# KiCad board keyball61_Left.kicad_pcb (continued)
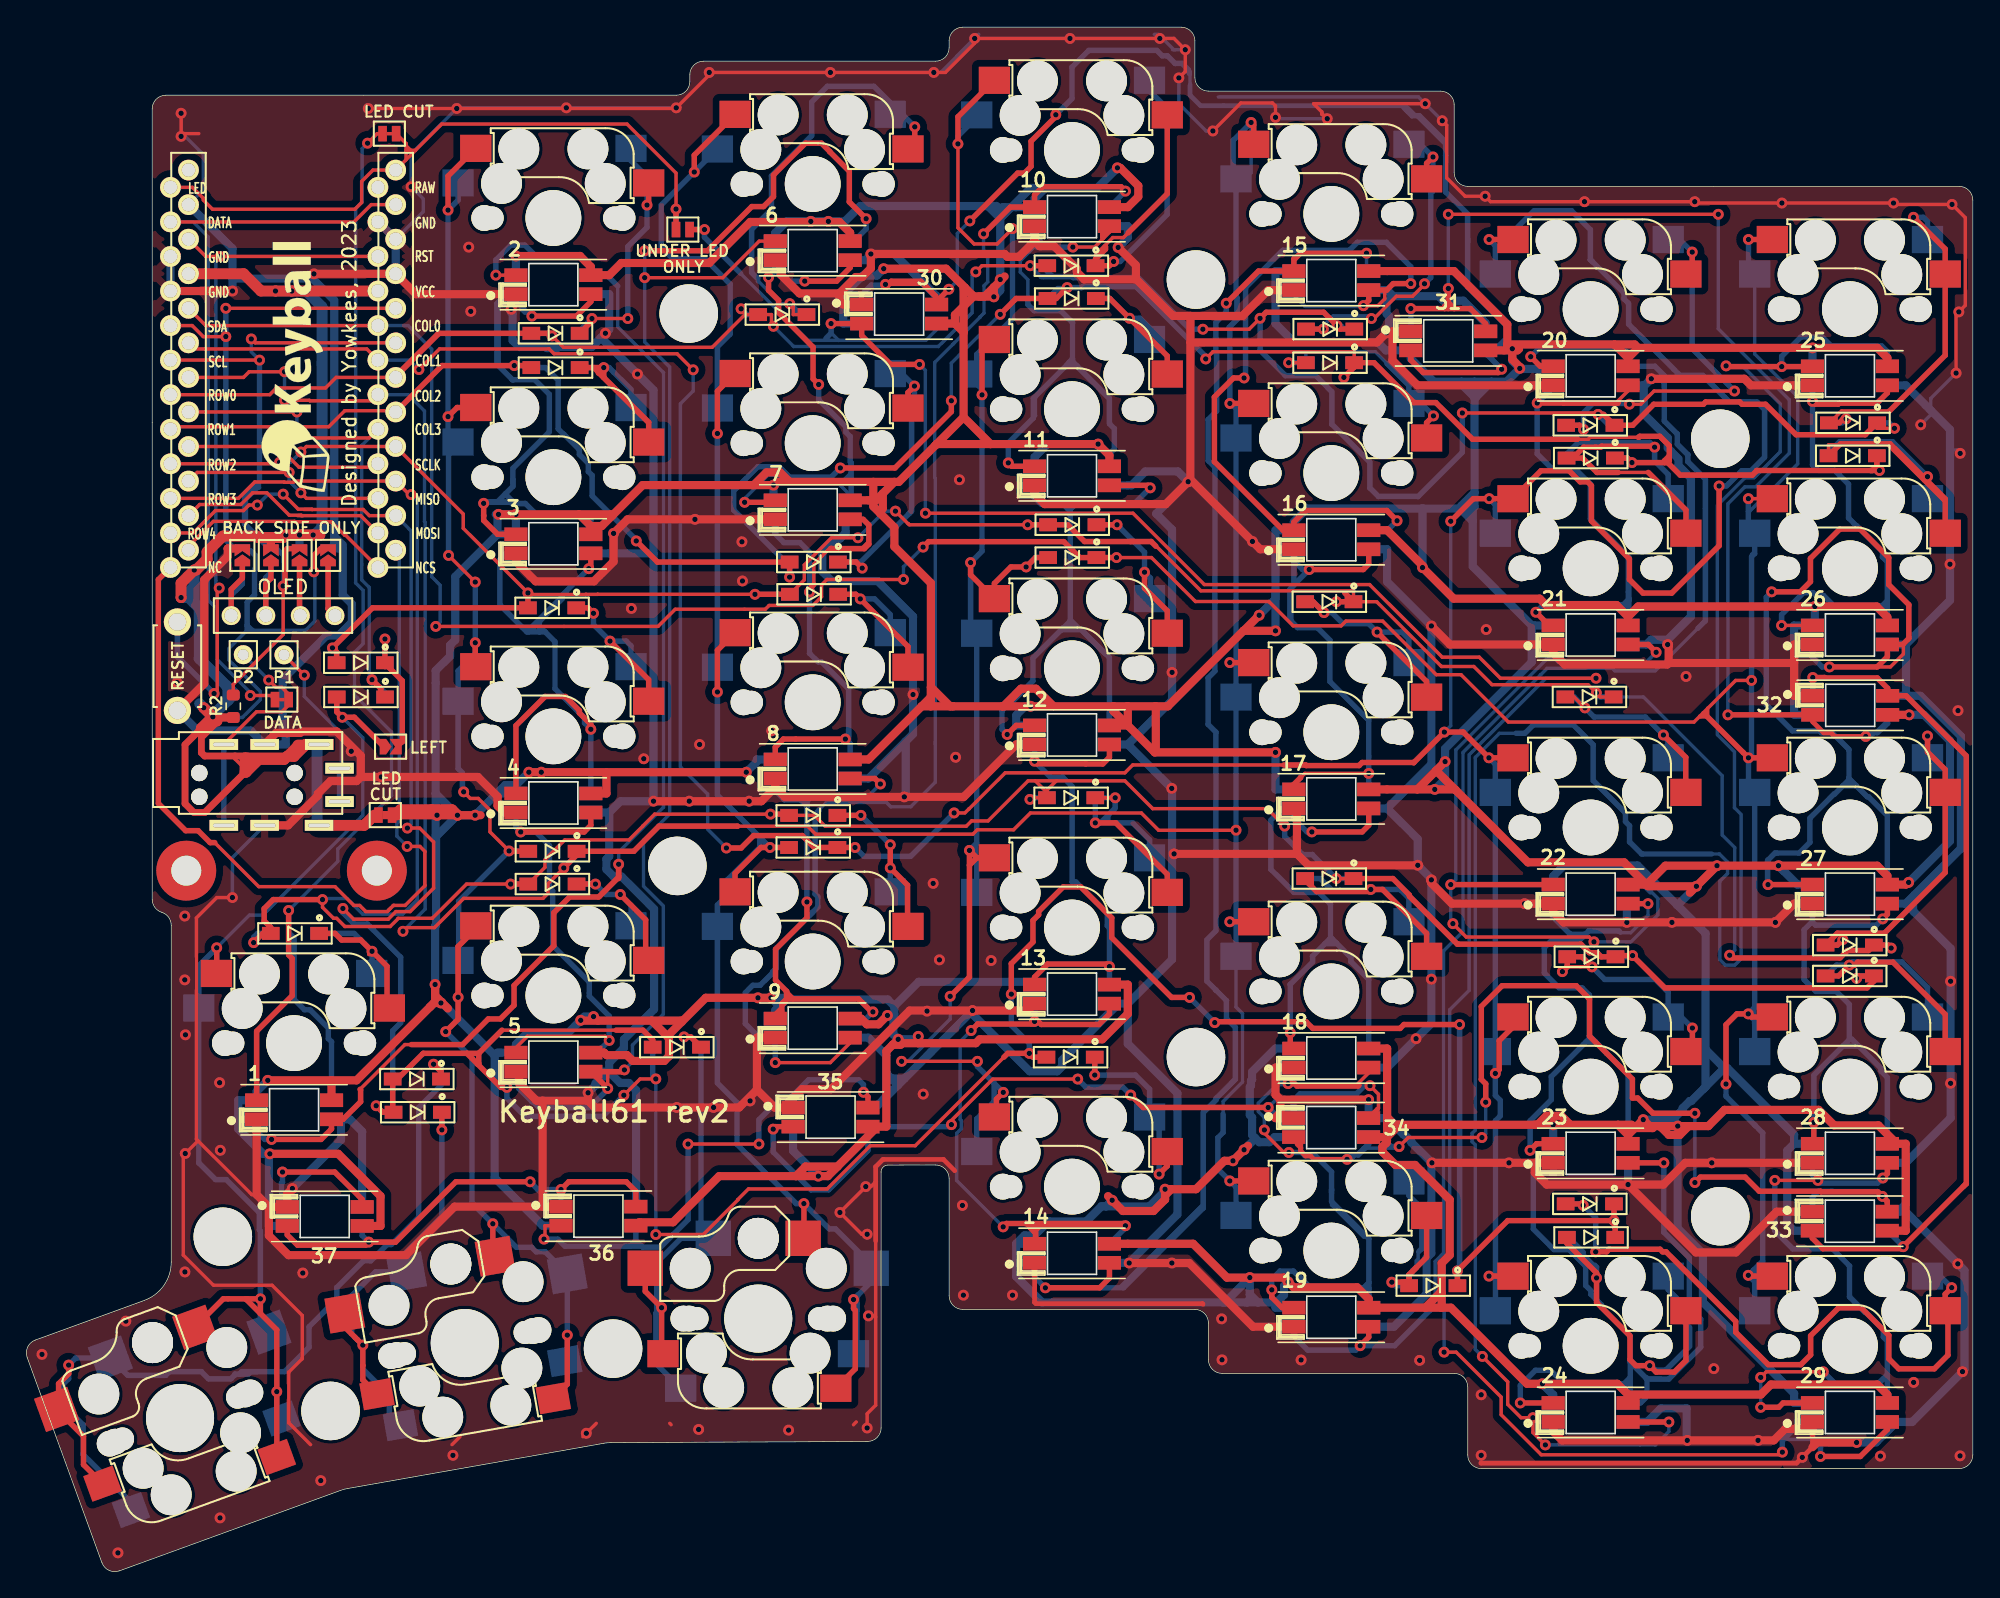
[diagram p0: board, top side]
## Routing (per net, layer and track width the routed paths; a pad name or vN(x,y) marks a point on that pad's centre or on a via; arc(x,y) is an arc through that point) (continued)
  Bottom w0.25: v1(50.1,110.14) v1(59,110.14) v1(66.6,110.14) 67.1,110.14 68.3,111.34 ; 68.3,111.34 v1(69.6,112.64) 69.65,112.69 ; 68.3,111.34 69.4,112.44 ; v1(47.68,107.54) v1(39.6,107.54) 31.6,107.54 v1(31.55,107.49) 28.2,104.14 v1(28.2,101.74) 29.09,100.85 29.09,99.91 U1.3 ; 84.13,111.81 84.33,111.81 ; 84.33,111.81 84.23,111.81 83.4,112.64 ; 84.33,111.81 v1(85.07,111.81) ; v1(11.3,107.14) 11.3,105.74 12.94,104.11 12.94,101.51 U1.23 ; v1(103.95,106.59) v1(102.7,107.84) 102.2,108.34 87.5,108.34 ; 83.4,112.64 v1(83.2,112.64) v1(76.6,112.64) 69.7,112.64 69.65,112.69 ; 83.4,112.64 83.1,112.94 82.8,112.94 ; v1(142,82.14) 141.75,82.39 141.25,82.39 ; v1(84.6,109.74) 84.6,107.84 86.6,105.84 v1(87.1,105.84) ; 69.9,112.94 69.65,112.69 ; v1(15.07,49.49) 15.07,52.43 J13.C ; v1(91.7,106.84) 91.8,106.74 v1(95.5,106.74) ; v1(139.1,84.24) 139.84,84.98 139.84,86.18 v1(141.7,88.04)
  Bottom w0.35: 22.55,75.59 JP9.2
  Bottom w0.4: 138.59,48.45 138.64,48.5 138.64,49.68
  Bottom w0.6: 99.9,36.99 v1(102.03,39.11) 103.15,40.24 v1(103.15,43.49) v1(103.15,50.79) 103.15,50.86 v1(102.16,51.86) 102.16,53.79 99.9,56.04 ; 99.9,36.99 18.3 ; 99.9,36.99 99.9,33.29 99.89,33.28 ; 80.85,60.74 v1(84.08,57.51) 84.1,57.49 84.1,52.7 ; 80.85,60.74 12.3 ; 80.85,60.74 84.1,63.99 v1(84.1,66.04) 84.1,76.54 82.94,77.71 v1(85.29,80.05) 84.53,80.81 82.14,80.81 81.12,79.79 11.3 ; 42.15,90.64 v1(42.48,90.97) 42.75,91.25 42.75,93.84 2.3 ; 42.15,90.64 41.46,89.96 39.01,89.96 38.93,89.88 38.18,89.88 38.1,89.96 36.14,89.96 35.66,90.44 35.66,92.42 35.55,92.52 v1(35.55,92.73) ; 42.15,90.64 v1(44.83,87.97) 46.01,86.79 46.01,74.79 ; 118.75,87.14 118.83,87.14 v1(119.31,87.62) ; 118.75,87.14 20.3 ; 118.75,87.14 118.75,85.04 120.52,83.28 120.52,82.53 120.79,82.26 120.79,82.24 121.31,81.73 121.31,81.24 122.22,80.32 122.22,70.15 120.51,68.44 ; v1(134.39,9.43) 135.82,9.43 137.33,10.94 ; 27.3 138,49.04 ; 138,49.04 142.05,53.09 142.05,61.35 139.09,64.32 138.02,64.32 ; 138,49.04 141.3,45.74 v1(141.3,43.34) v1(141.3,35.84) 141.3,33.28 138,29.99 ; 23.18,75.14 22.81,75.14 ; 23.18,75.14 23.18,71.74 23.84,71.07 23.84,69.72 22.86,68.74 21.98,68.74 18.77,65.53 18.77,61.64 18.99,61.42 18.99,60.74 J13.C 16.42,61.76 12.51,61.76 SW33.2 ; 23.18,75.14 23,75.14 22.55,75.59 22.55,76.03 ; 23.18,75.14 23.18,75.41 22.55,76.03 ; 20.96,94.98 15.08,94.98 ; 20.96,94.98 22.55,93.39 22.55,76.03 ; 20.96,94.98 21.06,95.08 v1(21.06,95.33) ; 15.08,94.98 15.08,97.19 U1.23 ; 15.08,94.98 v1(15.08,94.07) ; 120.51,68.44 119.3,68.44 118.95,68.09 21.3 ; 120.51,68.44 v1(120.51,68.09) ; 42.75,55.74 42.75,52.52 42.55,52.31 42.55,51.56 43.08,51.04 43.65,51.04 46.05,48.64 46.05,41.27 43.84,39.06 43.84,38.43 42.75,37.35 42.75,36.69 ; 42.75,55.74 4.3 ; 42.75,55.74 43.59,56.57 v1(46.01,56.57) 46.01,74.79 ; 138,29.99 138,26.95 137.45,26.4 ; 138,29.99 28.3 ; 138,68.09 141.25,71.34 v1(141.25,73.99) 141.25,83.89 138,87.14 25.3 ; 138,68.09 138.02,68.07 138.02,64.32 ; 138,68.09 26.3 ; 3.3 43.08,74.79 ; 137.33,10.94 138.47,10.94 v1(142.17,14.64) 142.32,14.79 142.32,22.07 v1(141.83,22.56) 137.99,26.4 137.45,26.4 ; 137.33,10.94 29.3 ; 103.15,29.99 103.15,23.34 102.8,22.99 102.8,20.34 100.4,17.94 19.3 ; 103.15,29.99 103.15,30.02 101.68,31.49 101.68,31.55 101.16,32.08 101.09,32.08 99.89,33.28 ; 103.15,29.99 v1(103.19,29.99) ; 127.3,9.54 121.9,9.54 121.9,11.94 120,11.94 119,10.94 24.3 ; 43.08,74.79 v1(43.08,76.26) ; 43.08,74.79 46.01,74.79 ; 63.52,36.15 63.56,36.19 64.45,36.19 ; 63.52,36.15 63.11,36.56 63.11,36.63 ; 63.52,36.15 63.97,35.71 ; 42.75,36.69 42.42,36.35 42.27,36.35 41.74,35.83 41.74,35.68 v1(41.2,35.14) ; 42.75,36.69 42.75,36.66 43.56,35.86 44.2,35.86 44.73,35.33 44.73,26.79 36.3 ; 42.75,36.69 5.3 ; 100.35,93.69 99.87,93.21 99.87,92.4 100.04,92.23 100.04,91.48 99.87,91.31 v1(99.87,91) ; 100.35,93.69 103.7,93.69 104.03,93.36 105.5,93.36 107.14,91.72 31.3 ; 100.35,93.69 99.9,94.14 15.3 ; U1.4 U1.3 25.8,99.15 U1.23 ; 99.9,56.04 17.3 ; 99.9,56.04 103.15,59.29 v1(103.15,69.45) 99.9,72.7 99.9,75.09 16.3 ; v1(98.54,34.63) 34.3 99.89,33.28 ; 137.45,26.4 33.3 ; 80.94,22.64 84.5,26.2 84.5,35.1 80.85,38.74 80.85,41.69 ; 80.94,22.64 14.3 ; 80.94,22.64 v1(80.96,22.62) ; 23.05,33.19 23.05,31.67 v1(19.48,28.1) ; 23.05,33.19 23.7,33.19 24.6,32.29 37.3 ; 23.05,33.19 1.3 ; v1(117.52,47.66) 117.52,48.95 22.3 ; 64.45,36.19 66.39,38.13 ; 64.45,36.19 63.97,35.71 ; 66.39,38.13 66.14,37.88 ; 66.39,38.13 v1(69.45,41.18) 69.45,40.92 73.65,36.72 75.67,36.72 76.02,37.07 76.02,37.53 80.18,41.69 ; 84.1,52.7 v1(84.25,52.7) ; 84.1,52.7 84.1,44.94 80.85,41.69 ; U1.4 U1.3 ; 63.11,36.63 63.11,37.88 61.8,39.19 9.3 ; 63.11,36.63 63.11,34.85 62.91,34.65 ; 64.54,60.97 65.07,61.51 v1(65.07,64.41) 65.07,70.15 62.47,72.75 59.11,72.75 58.41,73.45 58.41,74.85 59.44,75.88 59.72,75.88 60.13,76.29 60.13,76.96 7.3 ; 64.54,60.97 61.8,58.24 8.3 ; 64.54,60.97 64.54,56.99 v1(64.43,56.89) ; 80.85,41.69 80.18,41.69 ; 62.91,34.65 63.97,35.71 ; 62.91,34.65 62.31,34.05 35.3 ; 80.18,41.69 13.3 ; 10.3 80.85,98.84 80.85,97.99 v1(80.14,97.28) ; 138.02,64.32 32.3 ; 6.3 61.8,96.34 61.8,96.62 v1(61.98,96.8) 63.7,96.8 66.8,93.7 30.3 ; 23.3 v1(117.6,28.39)
  vias: v1(1.08,15.91) v1(6.66,1.32) v1(7.24,18.35) v1(11.01,65.29) v1(11.57,48.13) v1(11.57,43.44) v1(11.58,21.97) v1(11.62,39.4) v1(14.13,35.88) v1(14.18,30.91) v1(14.16,3.89) v1(20.24,21.89) v1(21.56,6.63) v1(23.8,60.24) v1(31.27,8.49) v1(32.43,97.3) v1(32.58,92.58) v1(44.38,70.74) v1(45.29,59.69) v1(49.32,10.39) v1(49.39,60.74) v1(52.5,75.64) v1(52.54,72.76) v1(53.1,34.54) v1(54.69,61.76) v1(55.93,10.34) v1(65.82,35.04) v1(66.1,41.14) v1(66.55,50.53) v1(67.01,44.91) v1(68.2,59.8) v1(68.48,80.2) v1(68.7,26.86) v1(68.77,20.26) v1(70.81,44.86) v1(72.38,20.26) v1(87.74,18.52) v1(87.77,15.51) v1(93.58,15.5) v1(102.29,15.47) v1(106.81,12.94) v1(106.81,8.49) v1(107.18,69.19) v1(121.86,65.74) v1(123.9,14.86) v1(136.14,8.43) v1(138.58,13.85) v1(141.84,63.23) v1(141.99,8.45)
VCC: length 145.3
  Top w0.25: 16,58.7 16,58.94 15.26,59.68 15.26,59.89
  Top w0.35: JP3.2 17.9,75.46
  Top w0.5: 19.89,60.69 19.1,59.89 18.95,59.89 ; 18.95,59.89 19.8,60.74 19.89,60.74 ; 18.95,59.89 13.03,59.89 12.79,60.13 12.79,61.93 ; 16.4,59.64 16,59.64 16,58.7 13.04,55.74 12.24,55.74 11.59,56.39 11.59,60.73 v1(13.63,62.77)
  Top w0.6: 12.89,61.43 14.19,62.72 R2.1 ; 25.6,55.55 24.85,54.79 J13.D ; J13.D 19.89,60.74 ; 17.9,75.96 17.9,75.46
  Top w0.8: 21.5,76.14 v1(19,76.14) 18.82,75.96 18.02,75.96 17.9,75.96 16.96,75.96 16.86,76.06 14.38,76.06 13.21,74.89 13.21,74.37 12.41,73.56 v1(12.27,73.56) 11.3,72.6 v1(11.3,71.54) ; J13.D 20.48,60.74 ; 20.48,60.74 20.42,60.69 19.89,60.69 ; 20.48,60.74 19.6,59.86 19.09,59.86 18.87,59.64 17,59.64 ; 25.5,55.55 24.75,54.79 J13.D ; 17,59.64 16.4,59.64 ; 17,59.64 16.07,58.7 16,58.7 16,59.74 16.01,59.74 16.16,59.74 ; U1.21 v1(20.58,94.07) v1(19.44,94.07) v1(18.24,94.07) 17.17,94.07 15.9,95.34 U1.21 ; 13.94,62.47 v1(13.63,62.77) ; v1(13.63,62.77) v1(12.97,63.44) ; v1(13.63,62.77) 12.79,61.93 12.79,61.62
  Bottom w0.35: 20,75.46 JP8.2
  Bottom w0.6: 12.27,72.61 12.27,72.51 v1(11.3,71.54) ; v1(20.58,94.07) 21.74,92.91 21.74,76.72 ; v1(20,76.14) 20,75.46
  Bottom w0.8: v1(19,76.14) v1(20,76.14) v1(21,76.14) 21.1,76.14 21.65,76.69 21.65,92.91 20.49,94.07 v1(18.24,94.07) ; v1(11.3,71.54) 11.87,71.54 12.24,71.17 ; 14.63,65.06 14.73,64.96 14.73,64.01 14.75,63.99 ; 14.63,65.06 12.63,67.06 12.63,70.78 12.24,71.17 ; 14.63,65.06 15.13,64.56 R1.1 14.75,63.99 ; 14.75,63.99 13.63,62.88 v1(13.63,62.77) 12.67,63.74 ; J13.D 21.29,60.59 21.29,54.94 J13.D ; 12.24,71.17 12.27,71.21 v1(12.27,73.56)
COL0: length 285.3
  Top w0.25: 123.46,63.4 123.46,62.79 123.44,62.77 ; 123.46,63.4 123.13,63.08 ; 123.46,63.4 125.51,65.45 v1(126.67,65.45) ; 123.44,62.77 123.13,63.08 ; 123.44,62.77 122.92,62.77 122.88,62.82 ; 123.44,62.77 v1(126.45,59.76) ; SW7.1 v1(126.44,78.81) ; v1(64.37,72.87) 58.75,72.87 58.35,72.47 58.35,71.6 57.71,70.96 54.5,70.96 54.22,70.68 47.6,70.68 46.34,69.42 v1(30.01,69.42) ; 123.13,63.08 122.88,62.82 ; 122.88,62.82 122.45,62.39 108.81,62.39 105.33,65.87 103.51,65.87 99.57,69.81 96.87,69.81 96.52,69.46 93,69.46 91.21,71.25 85.82,71.25 82.59,74.48 v1(80.02,74.48) ; U1.20 13.12,91.53 U1.20
  Top w0.4: v1(126.44,21.72) 126.5,21.66 SW26.1 ; v1(124.8,35.78) 124.8,40.13 125.6,40.94 v1(126.43,40.94) 126.66,40.71 SW19.1 ; v1(65.81,75.25) 66.21,75.65 76.15,75.65 77.32,74.48 D34.1 v1(80.02,74.48) ; SW13.1 v1(126.45,59.76) 123.26,62.95 ; SW1.1 v1(126.45,97.86)
  Bottom w0.25: 127.46,78.81 126.53,77.87 126.44,77.87 ; 127.46,78.81 v1(126.44,78.81) 126.44,76.25 126.9,75.79 ; 127.46,78.81 127.51,78.81 130.06,81.36 130.06,86.29 126.9,89.45 SW1.1 ; v1(65.81,75.25) 64.37,73.81 v1(64.37,72.87) ; v1(30.01,69.42) 30.33,69.74 30.33,72.45 29.71,73.07 29.71,89.8 27.98,91.53 U1.20 ; 126.9,75.79 126.9,74.94 126.68,74.72 126.68,59.76 v1(126.45,59.76) ; 126.9,75.79 SW7.1 ; SW19.1 126.9,40.25 ; 126.9,41.41 126.9,40.47
  Bottom w0.4: 127.49,22.77 127.49,21.84 127.28,21.63 ; 127.49,22.77 127.49,32.19 126.91,32.77 126.91,32.77 124.8,34.88 v1(124.8,35.78) ; 127.49,22.77 126.84,22.12 ; 126.9,40.47 v1(126.43,40.94) 126.9,41.41 SW13.1 126.45,57.67 v1(126.45,59.76) 126.67,59.98 v1(126.67,65.45) 126.68,65.45 126.68,74.54 126.9,74.77 SW7.1 126.44,76.73 v1(126.44,78.81) ; 126.9,40.47 126.9,40.25 ; 126.9,40.47 SW19.1 ; 126.9,21.25 v1(126.44,21.72) ; 126.9,21.25 127.28,21.63 ; 126.9,21.25 SW26.1 ; v1(126.44,21.72) 127.19,21.72 ; v1(126.44,21.72) 126.84,22.12 ; 126.84,22.12 126.84,22.07 127.19,21.72 ; v1(126.45,97.86) 126.45,95.77 SW1.1 ; 127.19,21.72 127.28,21.63 ; 127.19,21.72 127.19,22.12 ; D34.1 v1(80.02,74.48)
COL1: length 310.2
  Top w0.25: 92.33,59.23 81.21,59.23 80.64,58.66 71.84,58.66 69.21,56.02 69.2,56.02 68.88,55.71 v1(68.09,55.71) ; v1(28.77,88.3) 30.29,89.82 38.34,89.82 38.7,89.46 47.74,89.46 v1(48.92,88.28) ; v1(104.11,61.65) 101.85,59.4 ; U1.19 12.3,89.81 24.94,89.81 U1.19
  Top w0.4: SW14.1 v1(107.38,59.76) 105.49,61.65 v1(104.11,61.65) 101.87,59.41 101.83,59.41 ; v1(51.36,53.13) 52.44,53.13 53.36,54.04 56.94,54.04 57.81,53.17 D35.1 v1(60.81,53.17) ; v1(107.4,97.86) SW2.1 ; v1(124.29,79.74) 124.29,75.35 120.81,71.87 118.7,71.87 117.7,72.87 117.7,74.38 114.91,77.17 114.91,79.77 114.63,80.05 114.09,80.05 113.28,80.86 111.2,80.86 SW8.1 v1(107.4,78.81) 106.24,78.81 v1(104.58,77.15) ; 92.33,59.23 93.92,59.23 93.96,59.19 97.84,59.19 98.07,59.41 101.83,59.41 ; 101.83,59.41 101.85,59.4 ; SW27.1 v1(107.39,21.66) ; SW20.1 109.15,39.98 108.13,38.96 108.13,36.84 v1(107.85,36.56)
  Bottom w0.25: v1(104.58,77.15) 104.58,62.12 v1(104.11,61.65) ; 126.05,85.95 125.08,85.95 123.16,87.87 121.41,87.87 ; U1.19 28.08,88.99 v1(28.77,88.3) ; v1(51.36,53.13) 49.98,54.51 49.98,57.1 47.98,59.1 47.98,85.78 48.92,86.72 v1(48.92,88.28) ; 107.93,32.14 107.85,32.06 SW27.1 ; 108.21,33.81 108.21,34.41 ; 114.99,96.22 117.01,94.2 ; 117.73,91.55 118.08,91.2
  Bottom w0.4: D35.1 v1(60.81,53.17) 61.46,52.52 64.9,52.52 v1(68.09,55.71) ; 125.04,85.92 127.07,85.92 127.63,85.36 127.63,81.85 126.65,80.86 125.96,80.86 124.83,79.74 v1(124.29,79.74) ; 125.04,85.92 124.67,86.29 ; 125.04,85.92 126.55,85.92 ; 125.04,85.92 124.67,86.29 ; SW8.1 107.85,78.36 v1(107.4,78.81) ; 114.83,96.38 114.84,96.38 117.3,93.92 117.3,93.5 117.64,93.16 117.64,91.64 121.41,87.87 123.09,87.87 124.67,86.29 ; 114.83,96.38 114.83,98.59 113.44,99.98 110.7,99.98 108.58,97.86 v1(107.4,97.86) 107.85,97.4 SW2.1 ; 114.83,96.38 114.99,96.22 ; SW27.1 107.86,19.13 107.86,33.08 108.21,33.43 108.21,34.58 107.85,34.94 v1(107.85,36.56) SW20.1 SW14.1 107.85,59.29 v1(107.38,59.76) ; v1(107.39,21.66) 107.85,21.66
COL2: length 274.8
  Top w0.25: 88.84,54.43 83.12,54.43 81.85,55.7 73.7,55.7 72.46,54.47 69.79,54.47 69.47,54.15 57.91,54.15 57.33,54.73 52.18,54.73 ; v1(18.9,86.04) 20.73,86.04 20.77,86 25.31,86 U1.18 ; v1(27.6,47.01) 27.63,47.01 27.9,47.28 29.91,47.28 32.06,49.43 37.89,49.43 38.25,49.79 38.25,50.5 v1(39.42,51.66) ; 12.26,88.13 U1.18 15.89,87.72 16.3,88.14 v1(18.9,88.14)
  Top w0.4: v1(88.35,28.66) 90.1,28.66 ; 90.1,47.71 v1(88.34,47.71) ; v1(39.42,51.66) 40.36,52.6 D36.1 44.56,52.89 46.41,54.74 52.17,54.74 52.18,54.73 ; 90.1,85.81 v1(88.35,85.81) ; 90.1,66.76 v1(88.35,66.76) ; 90.1,104.86 90.1,106.27 v1(89.91,106.46)
  Bottom w0.25: 87.85,33.57 87.85,34.5 89.28,35.92 89.28,40.96 88.8,41.44 SW21.1 v1(88.8,54.44) SW15.1 SW9.1 ; v1(18.9,88.14) v1(18.9,86.04) ; SW3.1 88.8,101.66 ; 88.8,101.66 88.8,100.99 88.81,100.99 88.81,91.94 88.44,91.57 ; 88.8,101.66 89.91,102.76 v1(89.91,106.46) ; U1.18 27.98,86.45 29.18,85.25 29.18,77.12 29.23,77.07 29.23,48.64 v1(27.6,47.01)
  Bottom w0.4: 87.85,33.57 87.85,32.22 87.47,31.84 87.47,29.53 v1(88.35,28.66) 88.8,28.2 SW28.1 ; v1(39.42,51.66) 40.36,52.6 D36.1 ; v1(89.91,106.46) 88.59,105.14 88.59,102.53 SW3.1 88.8,93.64 88.89,93.56 88.89,91.99 88.29,91.4 88.35,91.34 v1(88.35,85.81) 88.44,85.81 88.8,85.45 SW9.1 SW15.1 SW21.1 ; v1(88.35,66.76) 88.8,66.76 ; v1(88.34,47.71) 88.8,47.71
COL3: length 38.6
  Top w0.25: v1(19.81,83.28) 25.13,83.28 U1.17 ; U1.17 v1(19.81,85.18)
  Top w0.4: v1(25.33,65.5) 25.98,64.85 25.98,64.54 D37.1
  Bottom w0.25: v1(25.33,65.5) 25.13,65.7 25.13,72.29 24.58,72.84 24.58,82.72 U1.17 ; v1(19.81,85.18) v1(19.81,83.28)
  Bottom w0.4: D37.1 26.29,64.54 v1(25.33,65.5)
DATA: length 57.2
  Top w0.25: 18.19,64.04 17.89,64.34 v1(16.39,64.34) ; U1.2 25.27,100.42 24,99.15 U1.2
  Bottom w0.25: U1.2 12.19,99.15 13.3,98.04 13.3,71.34 13.96,70.68 13.96,66.98 16.39,64.56 v1(16.39,64.34)
LED: length 55.8
  Top w0.25: 28.52,104.41 28.52,104.42 28.17,104.42 ; 28.52,104.41 27.83,103.72 ; 28.52,104.41 30.45,106.34 44.06,106.34 47.66,102.74 v1(47.66,100.1) 47.66,99.34 ; 27.83,103.72 U1.1 25.4,102.96 24.57,102.13 24.57,100.58 24.07,100.08 13.61,100.08 12.94,100.76 12.94,100.89 12.13,101.69 U1.1 ; 27.83,103.72 27.83,104.42 ; 28.17,104.42 27.83,104.76 27.83,104.91 ; 28.17,104.42 27.83,104.42 ; 27.83,104.91 27.12,105.62 27.12,105.64 ; 27.83,104.91 27.83,104.42 ; 47.66,99.34 JP13.2 47.66,99.34
  Top w0.4: v1(47.66,100.1) JP13.2
  Bottom w0.25: JP14.2 47.66,98.61 v1(47.66,100.1)
  Bottom w0.4: v1(47.66,100.1) 47.66,98.61 JP14.2
RESET: length 53.3
  Top w0.25: v1(14.1,72.24) 13.96,72.09 13.96,64.72 v1(13.73,64.48) ; U1.22 13.12,96.61 v1(14.17,96.61) U1.22
  Bottom w0.25: v1(14.1,72.24) 13.86,72.49 13.86,96.3 v1(14.17,96.61)
  Bottom w0.4: SW33.1 11.03,67.18 v1(13.73,64.48)
ROW0: length 187.9
  Top w0.25: 36.55,90.96 30.11,90.96 27.07,87.92 U1.7 22.69,87.72 21.92,86.95 18.31,86.95 17.82,86.45 U1.7 ; 36.55,90.96 D6.2 ; 36.55,90.96 36.73,90.78 ; 52.72,92.34 50.32,89.93 39.4,89.93 v1(38.55,90.78) ; 52.72,92.34 D5.2 54.67,92.34 54.67,91.62 v1(54.82,91.48) ; 52.72,92.34 52.72,92.49 v1(52.44,92.76) ; v1(105.43,85.11) 115.29,85.11 v1(115.4,85) ; v1(73.68,95.93) 70.14,95.93 v1(69.68,95.48) ; v1(86.37,91.27) 89.77,91.27 v1(90.57,92.07) ; v1(137.17,83.98) 135.9,83.98 D1.1 ; 118.35,84.6 119.49,85.75
  Top w0.4: v1(90.57,92.07) 91.01,92.51 95.24,92.51 v1(96.23,91.52) 96.23,91.48 96.44,91.27 D3.1 ; D4.2 v1(73.68,95.93) ; U1.7 27.07,87.78 30.25,90.96 D6.2 38.37,90.96 v1(38.55,90.78) ; D1.1 135.03,83.51 129.95,83.51 127.71,85.75 125.99,85.75 125.81,85.92 123.31,85.92 123.14,85.75 119.49,85.75 117.95,84.2 116.6,84.2 115.8,85 v1(115.4,85)
  Bottom w0.25: v1(73.68,95.93) 74.48,95.13 ; v1(69.68,95.48) 69.41,95.21 69.41,92.47 66.94,89.99 56.3,89.99 v1(54.82,91.48) ; 74.67,95.13 74.93,95.13 D4.2 ; v1(86.37,91.27) 85.96,91.27
  Bottom w0.4: 75.34,95.13 76.77,95.13 76.85,95.06 81.62,95.06 85.42,91.27 v1(86.37,91.27) ; 75.34,95.13 74.93,95.54 D4.2 v1(73.68,95.93) ; 75.34,95.13 74.48,95.13 ; D1.1 136.77,84.38 v1(137.17,83.98) ; D3.1 96.75,91.27 96.5,91.52 v1(96.23,91.52) ; D6.2 38.37,90.96 v1(38.55,90.78) ; v1(115.4,85) 116.2,84.2 116.6,84.2 ; v1(52.44,92.76) 52.87,92.34 D5.2 ; v1(105.43,85.11) 105.43,82.21 102.18,78.97 99.26,78.97 98.63,79.6 98.63,81.49 95.84,84.28 95.84,86.67 94.66,87.85 92.44,87.85 90.57,89.72 v1(90.57,92.07)
ROW1: length 192.6
  Top w0.25: 113.53,83.17 114.68,83.17 114.82,83.32 119.94,83.32 120.28,82.97 ; 30.48,88.59 27.27,85.39 ; 27.27,85.39 U1.8 ; 27.27,85.39 27.16,85.28 23.33,85.28 22.15,84.09 10.71,84.09 U1.8 ; v1(96.73,87.72) 97.01,88 ; v1(86.58,89.08) 87.1,89.6 97.48,89.6 D9.1 ; 74.95,93.52 73.98,93.52 ; D11.2 v1(56.01,73.04)
  Top w0.4: 120.51,81.46 121.43,80.54 126.73,80.54 127.05,80.86 127.05,80.88 135.42,80.88 ; 120.51,81.46 120.63,81.58 120.63,81.95 ; 120.51,81.46 120.28,81.46 ; v1(59.73,81.07) 63.75,81.07 67.89,85.21 v1(67.89,86.01) ; 135.42,80.88 135.53,80.88 135.88,81.23 ; 135.42,80.88 v1(136.07,80.88) 135.88,81.07 135.88,81.23 ; v1(44.74,75.7) 46.3,74.15 D11.2 v1(56.01,73.04) ; 118.36,83.32 118.39,83.32 118.47,83.39 119.94,83.39 120.63,82.7 120.63,81.95 ; D12.2 36.89,88.59 v1(35.78,88.59) 30.48,88.59 U1.8 ; v1(96.73,87.72) 97.48,88.48 D9.1 98.94,88.8 101.87,85.87 103.48,85.87 106.18,83.17 113.87,83.17 113.53,83.17 ; 120.63,81.95 120.28,81.6 120.28,81.46 ; 135.88,81.23 135.88,81.96 ; v1(76.4,94.32) 75.6,93.52 72.65,93.52 v1(71.48,92.36) ; 120.28,81.46 v1(117.89,81.46) 117.56,81.79 D8.1
  Bottom w0.25: v1(67.89,86.01) 67.89,88.77 68.46,89.34 68.47,89.34 v1(71.48,92.36)
  Bottom w0.4: 135.88,81.96 135.88,81.07 v1(136.07,80.88) ; v1(56.01,73.04) D11.2 55.72,74.15 51.9,77.97 51.9,79.39 53.67,81.15 55.24,81.15 56.01,80.39 59.06,80.39 v1(59.73,81.07) ; v1(35.78,88.59) 36.89,88.59 D12.2 38.08,88.44 39,87.52 39,83.94 39.4,83.54 39.42,83.54 40.56,82.4 40.56,82.06 41.22,81.4 41.22,80.8 41.5,80.52 41.5,79.01 44.74,75.78 v1(44.74,75.7) ; v1(96.73,87.72) 97.48,88.48 D9.1 ; v1(86.58,89.08) 86.58,89.26 81.43,94.4 77.53,94.4 77.46,94.32 v1(76.4,94.32) 76.32,94.25 75.71,94.25 74.99,93.52 74.95,93.52 ; v1(117.89,81.46) 117.56,81.79 D8.1
ROW2: length 191
  Top w0.25: v1(61.03,75.93) 59.08,75.93 57.09,73.94 57.09,72.84 D17.2 ; 36.93,71.73 36.78,71.58 D18.2 ; 36.93,71.73 36.97,71.77 41.03,71.77 41.04,71.77 41.9,71.77 41.91,71.78 v1(53.46,71.78) ; 36.93,71.73 v1(36.78,71.88) 32.03,76.63 32.03,77.68 U1.9 20.51,82.64 v1(20.1,82.24) ; 81.29,75.66 82.6,75.66 86.22,72.03 97.43,72.03 D15.1 99.14,71.23 103.9,66.47 106.27,66.47 107.61,65.14 114.67,65.14 v1(115.27,64.53) 115.57,64.23 116.54,64.23 ; v1(63.78,77.89) 64.71,76.97 64.72,76.97 64.8,76.89 v1(73.49,76.89) ; U1.9 18.43,81.37 v1(18.54,81.47)
  Top w0.4: v1(136.93,45.77) 136.71,45.99 D13.1 135.26,45.59 133.72,45.59 133.17,45.05 125.27,45.05 v1(125.07,45.25) ; v1(36.78,71.88) D18.2 25.37,70.78 v1(22.42,67.84) 22.73,67.53 D19.2 ; 96.79,71.88 97.43,71.24 D15.1 v1(96.18,71.23) ; 81.03,75.66 81.29,75.66 ; 81.03,75.66 77.67,75.66 76.44,76.89 D16.2 v1(73.49,76.89) ; 81.03,75.66 82.57,75.66 82.91,75.32 ; D17.2 v1(53.46,71.78)
  Bottom w0.25: v1(20.1,82.24) 19.34,81.47 v1(18.54,81.47) ; v1(63.78,77.89) 62.99,77.89 v1(61.03,75.93) ; v1(125.07,45.25) 125.44,45.62 125.44,53.16 124.52,54.08 124.52,58.44 118.73,64.23 116.54,64.23
  Bottom w0.4: D18.2 v1(36.78,71.88) ; D17.2 v1(53.46,71.78) ; v1(73.49,76.89) D16.2 ; v1(96.18,71.23) D15.1 ; v1(136.93,45.77) 136.71,45.99 D13.1 ; D19.2 22.73,67.53 v1(22.42,67.84) ; v1(115.27,64.53) 115.57,64.23 116.54,64.23
ROW3: length 217
  Top w0.25: D25.2 38.03,51.7 38.03,52.27 39.49,53.73 44.21,53.73 45.21,54.72 45.21,54.73 46.09,55.62 v1(54.6,55.62) ; 18.95,49.34 v1(21.69,49.34) 21.69,48.77 22.5,47.96 22.73,47.96 23.33,47.36 26.66,47.36 27.25,47.94 27.25,47.96 29.76,47.96 32.27,50.48 v1(35.51,50.48) ; v1(73.66,56.7) 73.82,56.7 73.94,56.82 D23.2 ; D24.2 57.82,55.53 58.62,54.73 68.98,54.73 69.38,55.12 70.59,55.12 73.53,58.07 74.05,58.07 ; 74.05,58.07 75.6,58.07 ; 74.05,58.07 74.91,57.21 D23.2 ; 75.6,58.07 74.91,57.38 D23.2 ; 75.6,58.07 80.63,58.07 82.68,56.02 91.09,56.02 v1(92.38,54.74) ; v1(16.63,46.17) 16.92,46.46 ; D26.2 17.35,46.85 ; U1.10 15.51,78.83 16.72,80.04 18.87,80.04 18.89,80.01 19.54,80.01 19.63,80.1 U1.10 28.06,79.11 v1(28.2,79.11) ; v1(96.17,50.88) D22.1 ; 101.54,49.67 105.14,46.07
  Top w0.4: v1(21.69,49.34) 21.69,49.34 18.07,49.34 17.4,48.67 17.4,47.78 17.89,47.29 D26.2 17.31,46.85 v1(16.63,46.17) ; D24.2 55.88,55.62 v1(54.6,55.62) ; v1(134.39,43.55) 134.57,43.72 D20.1 135.66,43.35 135.16,42.85 120.31,42.85 v1(117.94,45.22) 116.77,45.22 D21.1 115.63,45.13 115.33,45.43 114.76,45.43 114.14,46.06 105.15,46.06 ; 105.15,46.06 105.06,46.06 101.54,49.58 101.54,49.67 100.33,50.88 D22.1 ; 105.15,46.06 105.14,46.07 ; D25.2 v1(35.51,50.48)
  Bottom w0.25: v1(28.2,79.11) 28.65,78.66 28.65,49.34 27.58,48.27 24.64,48.27 23.5,49.41 21.77,49.41 v1(21.69,49.34)
  Bottom w0.4: v1(54.6,55.62) 55.88,55.62 D24.2 ; v1(134.39,43.55) 134.57,43.72 D20.1 ; D25.2 v1(35.51,50.48) ; v1(16.63,46.17) 16.63,46.57 16.92,46.85 D26.2 ; D22.1 v1(96.17,50.88) 94.41,52.65 93.7,52.65 92.38,53.97 v1(92.38,54.74) ; v1(117.94,45.22) 117.85,45.13 D21.1 ; v1(73.66,56.7) 73.78,56.82 D23.2
ROW4: length 266.7
  Top w0.25: 25.71,34.11 v1(25.63,34.18) ; 20.33,78.01 20.93,78.01 ; 20.93,78.01 24.68,78.01 25.13,77.56 U1.11 ; 20.93,78.01 20.9,78.04 19.9,78.04 v1(18.8,79.14) ; 71.75,37.75 65.24,31.25 61.94,31.25 58.77,28.07 52.99,28.07 52.21,27.3 52.21,27.26 49.67,24.72 v1(46.18,24.72) ; v1(46.18,36.16) 45.03,36.16 v1(43.83,34.96) ; D33.2 26.85,34.57 26.91,34.51 D32.2 ; v1(23.19,48.69) 23.98,47.9 26.52,47.9 27.08,48.46 28.13,48.46 29.85,50.18 29.85,53.57 28.83,54.59 v1(27.93,54.59) ; 29.02,37.97 33.1,37.97 34.87,39.74 45.23,39.74 ; U1.11 12.19,76.29 13.83,77.93 15.88,77.93 16.29,78.34 v1(16.9,78.34)
  Top w0.4: v1(35.24,35.53) 34.8,35.53 33.1,37.23 ; 33.1,37.23 33.17,37.3 33.17,38.04 ; 33.1,37.23 32.3,38.04 ; 32.3,38.04 33.17,38.04 ; 32.3,38.04 29.09,38.04 27.2,36.15 D33.2 26.85,33.77 D32.2 26.11,33.71 v1(25.63,34.18) ; 33.17,38.04 34.87,39.74 ; v1(72.29,42.39) 72.29,44.63 73.89,46.22 73.89,47.81 74.3,48.22 74.3,48.46 76.11,50.27 77.4,50.27 79.67,47.99 79.67,46.54 84.06,42.15 v1(85.39,42.15) ; D27.1 v1(116.57,25.74) ; v1(116.57,25.74) 108.76,25.74 v1(105.07,22.05) D29.1 ; v1(116.57,25.74) 116.66,25.65 D28.1 ; v1(87.24,40.3) 87.3,40.36 93.95,40.36 94.44,39.87 100.85,39.87 101.14,40.15 v1(105.23,40.15) ; 43.26,39.74 45.23,39.74 45.95,39.02 D31.2 ; D30.2 73.9,37.75 v1(73.62,38.04) 72.03,38.04 71.75,37.75
  Bottom w0.25: v1(18.8,79.14) 17.7,79.14 v1(16.9,78.34) ; U1.11 28.2,76.43 28.2,54.87 v1(27.93,54.59) ; v1(46.18,36.16) v1(46.18,24.72)
  Bottom w0.4: v1(105.23,40.15) 105.23,22.37 105.07,22.21 v1(105.07,22.05) D29.1 ; v1(46.18,36.16) 45.95,36.39 D31.2 ; v1(43.83,34.96) 42.27,33.4 36.58,33.4 35.24,34.74 v1(35.24,35.53) ; D30.2 73.9,37.75 v1(73.62,38.04) 73.62,38.77 72.29,40.09 v1(72.29,42.39) ; D28.1 116.66,25.65 v1(116.57,25.74) D27.1 ; v1(23.19,48.69) 23.19,48.37 24.02,47.54 24.99,47.54 27.43,45.1 27.43,40.28 26.85,39.69 D33.2 26.85,33.77 D32.2 26.11,33.71 v1(25.63,34.18) ; v1(87.24,40.3) v1(85.39,42.15)
SCL: length 65.6
  Top w0.25: U1.6 v1(17.06,88.99) ; v1(16.46,90.55) 16.75,90.26 U1.6 ; v1(18.8,72.39) 18.8,68.82 15.13,65.15 R2.2 ; JP4.2 19.43,75.14
  Top w0.4: v1(18.8,72.39) 18.95,72.54 18.95,74.98 19.11,75.14 19.43,75.14
  Bottom w0.25: v1(16.46,90.55) 16.46,89.6 v1(17.06,88.99) 17.06,79.6 16.96,79.6 16.1,78.74 16.1,76.66 17.06,75.7
  Bottom w0.35: v1(18.8,72.39) 18.85,72.44 18.85,74.17 ; 18.67,74.81 18.85,74.63 18.85,74.17 ; 18.67,74.81 18.34,75.14 JP7.2 17.57,75.47 17.45,75.47 ; 18.67,74.81 18.8,74.68 ; 18.85,74.17 18.85,74.47
  Bottom w0.4: 17.45,75.47 15.96,76.96 15.96,78.95 17.06,80.05 v1(17.06,88.99)
SDA: length 63.7
  Top w0.25: U1.5 12.12,91.53 12.93,90.72 v1(14.59,90.72) ; JP5.2 21.55,75.14 ; U1.5 v1(14.59,92.8)
  Top w0.4: 21.55,75.14 21.05,74.64 v1(21.05,73.43)
  Bottom w0.25: v1(21.05,73.43) 21.13,73.35 21.13,69.82 20.45,69.14 16.16,69.14 14.82,67.8 14.82,66.95 17.13,64.64 17.13,64.04 15.81,62.72 R1.2 ; 15.21,75.14 JP6.2 16.25,75.14 16.4,74.99
  Bottom w0.4: 16.49,69.14 16.16,69.47 16.16,69.53 ; 16.16,69.53 16.16,69.14 16.5,69.14 ; 16.16,69.53 16.16,71.19 16.7,71.74 16.7,73.6 16.78,73.67 16.78,74.61 16.4,74.99 ; v1(14.59,92.8) v1(14.59,90.72) 14.59,75.76 15.21,75.14
Net-(D1-Pad2): length 27
  Top w0.25: D1.2 132.42,84.38 133.29,85.26 136.81,85.26
  Top w0.4: D1.2 133.12,84.38 133.41,84.68 v1(133.62,84.68) ; 136.81,85.26 140.9,89.35 SW1.2 140.9,97.16 v1(138.57,99.49)
  Bottom w0.4: v1(138.57,99.49) 139.3,99.49 139.6,99.18 SW1.2 ; D1.2 133.33,84.38 v1(133.62,84.68)
Net-(D2-Pad2): length 31.3
  Top w0.25: v1(125.42,86.72) 119.51,86.72 118.54,85.75 v1(117.7,85.75)
  Top w0.4: v1(122.32,96.93) 122.32,95.78 SW2.2 ; D2.2 114.03,84.2 v1(114.33,83.9)
  Bottom w0.4: 120.55,97.86 121.39,97.86 v1(122.32,96.93) 122.32,89.83 v1(125.42,86.72) ; D2.2 114.03,84.2 v1(114.33,83.9) 114.33,85.12 115.02,85.8 117.65,85.8 v1(117.7,85.75)
Net-(D3-Pad2): length 25.2
  Top w0.25: v1(102.65,94.61) 102.65,94.56 101.77,93.69 100.58,93.69 98.95,92.05 v1(98.75,92.05)
  Top w0.4: D3.2 v1(95.22,91.27) ; SW3.2 102.8,103.46 v1(103.27,103.93)
  Bottom w0.25: v1(95.22,91.27) 95.22,91.53 95.93,92.25 98.55,92.25 v1(98.75,92.05)
  Bottom w0.4: SW3.2 102.34,104.86 v1(103.27,103.93) 103.27,101.42 103.11,101.26 103.11,95.07 v1(102.65,94.61) ; D3.2 v1(95.22,91.27)
Net-(D4-Pad1): length 34.2
  Top w0.25: 80.88,98.35 80.53,98 79.75,98 78.48,96.73 D4.1 ; 79.72,96.33 v1(79.81,96.24)
  Top w0.4: 79.19,97.34 79.21,97.32 79.21,97.15 78.48,96.42 D4.1 79.5,95.93 v1(79.81,96.24) ; SW4.2 83.75,101.22 80.88,98.35
  Bottom w0.4: 82.45,109.56 82.45,108.78 83.74,107.49 83.74,99.69 80.29,96.24 v1(79.81,96.24) 79.5,95.93 D4.1
Net-(D5-Pad1): length 34.4
  Top w0.25: v1(56.02,93.14) 56.27,92.89 56.27,92.34 D5.1
  Top w0.4: v1(65.2,106.14) 65.2,105.02 SW5.2
  Bottom w0.25: SW5.2 64.14,107.06 ; 53.74,94.77 55.36,93.14 v1(56.02,93.14) ; 64.88,106.46 v1(65.2,106.14)
  Bottom w0.35: 53.6,95.04 53.67,95.04 53.69,95.03 53.69,94.8
  Bottom w0.4: v1(56.02,93.14) 56.82,92.34 D5.1 ; 53.6,95.04 53.21,95.43 53.21,98.6 54.67,100.06 54.67,102.54 57.63,105.5 57.63,107.97 58.78,109.12 62.2,109.12 63.4,107.92 SW5.2 64.28,107.06 v1(65.2,106.14)
Net-(D6-Pad1): length 20.8
  Top w0.25: v1(41.49,92.05) v1(44.12,92.05)
  Top w0.4: 40.58,90.96 41.49,91.87 v1(41.49,92.05) ; v1(45.53,100.39) 45.65,100.51 SW6.2
  Bottom w0.4: 40.58,90.96 40.58,91.15 v1(41.49,92.05) ; v1(44.12,92.05) 44.12,97.34 45.53,98.75 v1(45.53,100.39) 45.53,102.48 44.35,103.66 SW6.2
Net-(D7-Pad2): length 37.7
  Top w0.25: SW7.2 140.9,78.54 139.31,80.13 ; 139.31,80.13 136.68,82.76 132.33,82.76 D7.2 ; 139.31,80.13 v1(139.6,80.43)
  Top w0.4: v1(139.6,80.43) 139.53,80.43 139.4,80.29 ; 139.4,80.29 140.9,78.79 SW7.2 ; 139.4,80.29 136.85,82.84 133.21,82.84 D7.2
  Bottom w0.4: D7.2 132.33,82.18 133.15,83 137.03,83 v1(139.6,80.43) SW7.2
Net-(D8-Pad2): length 30.4
  Top w0.25: 119.1,80.74 116.87,80.74
  Top w0.4: 116.87,80.74 115.32,80.74 114.26,81.79 D8.2 113.55,81.79 114.35,82.59 115.59,82.59 115.66,82.67 119.48,82.67 v1(119.55,82.59) ; 119.1,80.74 121.85,77.98 SW8.2
  Bottom w0.4: 120.55,78.81 120.55,80.58 119.55,81.58 v1(119.55,82.59) 119.21,82.94 113.93,82.94 113.08,82.09 D8.2
Net-(D9-Pad2): length 21
  Top w0.25: D9.2 v1(92.67,88.8)
  Top w0.4: SW9.2 102.8,84.39 v1(103.31,84.89)
  Bottom w0.25: 101.5,86.41 101.5,87.13 ; 101.5,86.41 101.79,86.41 v1(103.31,84.89) ; 101.5,86.41 SW9.2 ; 99.91,88.73 99.03,89.6 93.93,89.6 D9.2
  Bottom w0.4: v1(92.67,88.8) D9.2 ; v1(103.31,84.89) 102.39,85.81 SW9.2 101.5,87.13 99.91,88.73
Net-(D10-Pad1): length 14
  Top w0.4: D10.1 79.53,93.52 v1(80.98,92.07) 83.75,89.29 SW10.2
  Bottom w0.4: D10.1 79.53,93.52 v1(80.98,92.07) 81.74,92.07 82.45,91.36 82.45,90.51
Net-(D11-Pad1): length 23.3
  Top w0.4: D11.1 60.89,74.15 v1(61.34,73.7) ; SW11.2 64.7,86.61 v1(65.18,87.09)
  Bottom w0.25: v1(65.18,87.09) 65.09,87.09 64.93,86.92
  Bottom w0.4: SW11.2 64.25,88.01 v1(65.18,87.09) 65.18,84.86 64.97,84.65 64.97,77.89 64.78,77.7 ; 64.78,77.7 61.22,74.15 60.89,74.15 ; 64.78,77.7 64.93,77.85 ; v1(61.34,73.7) 60.89,74.15 ; 60.89,74.15 D11.1
Net-(D12-Pad1): length 24.6
  Top w0.25: 40.58,88.44 41.56,88.44 41.96,88.05 41.96,87.99 45.65,84.29 SW12.2
  Top w0.4: v1(42.35,88.44) 41.96,88.05 ; v1(42.35,88.44) 41.56,88.44 ; v1(42.35,88.44) 42.35,87.72 42.37,87.71 ; 42.37,87.71 41.63,88.44 40.58,88.44 ; 42.37,87.71 45.65,84.42 SW12.2
  Bottom w0.4: v1(42.35,88.44) 42.75,88.44 ; v1(42.35,88.44) 42.75,88.44 ; v1(42.35,88.44) 40.58,88.44 ; 42.75,88.44 44.35,86.83 SW12.2
Net-(D13-Pad2): length 38.4
  Top w0.25: 136.28,46.79 140.9,51.42 SW13.2
  Top w0.4: v1(133.38,46.39) 132.98,45.99 132.11,45.99 132.99,46.87 136.44,46.87 140.9,51.33 SW13.2 140.9,58.89 139.6,60.19 v1(139.6,61.36)
  Bottom w0.4: v1(133.38,46.39) 132.98,45.99 132.11,45.99 ; SW13.2 v1(139.6,61.36)
Net-(D14-Pad2): length 16.9
  Top w0.25: D14.2 113.64,64.23 v1(114.44,63.43)
  Top w0.4: v1(120.2,61.44) 121.84,59.79 121.84,57.23 SW14.2
  Bottom w0.4: D14.2 113.64,64.23 v1(114.44,63.43) 115.11,62.76 118.88,62.76 v1(120.2,61.44) 120.2,61.35 120.52,61.03 120.52,59.79 120.55,59.76
